# Altium PCB CGRA_Board_3.PcbDoc (part 2 of 7) (continued)
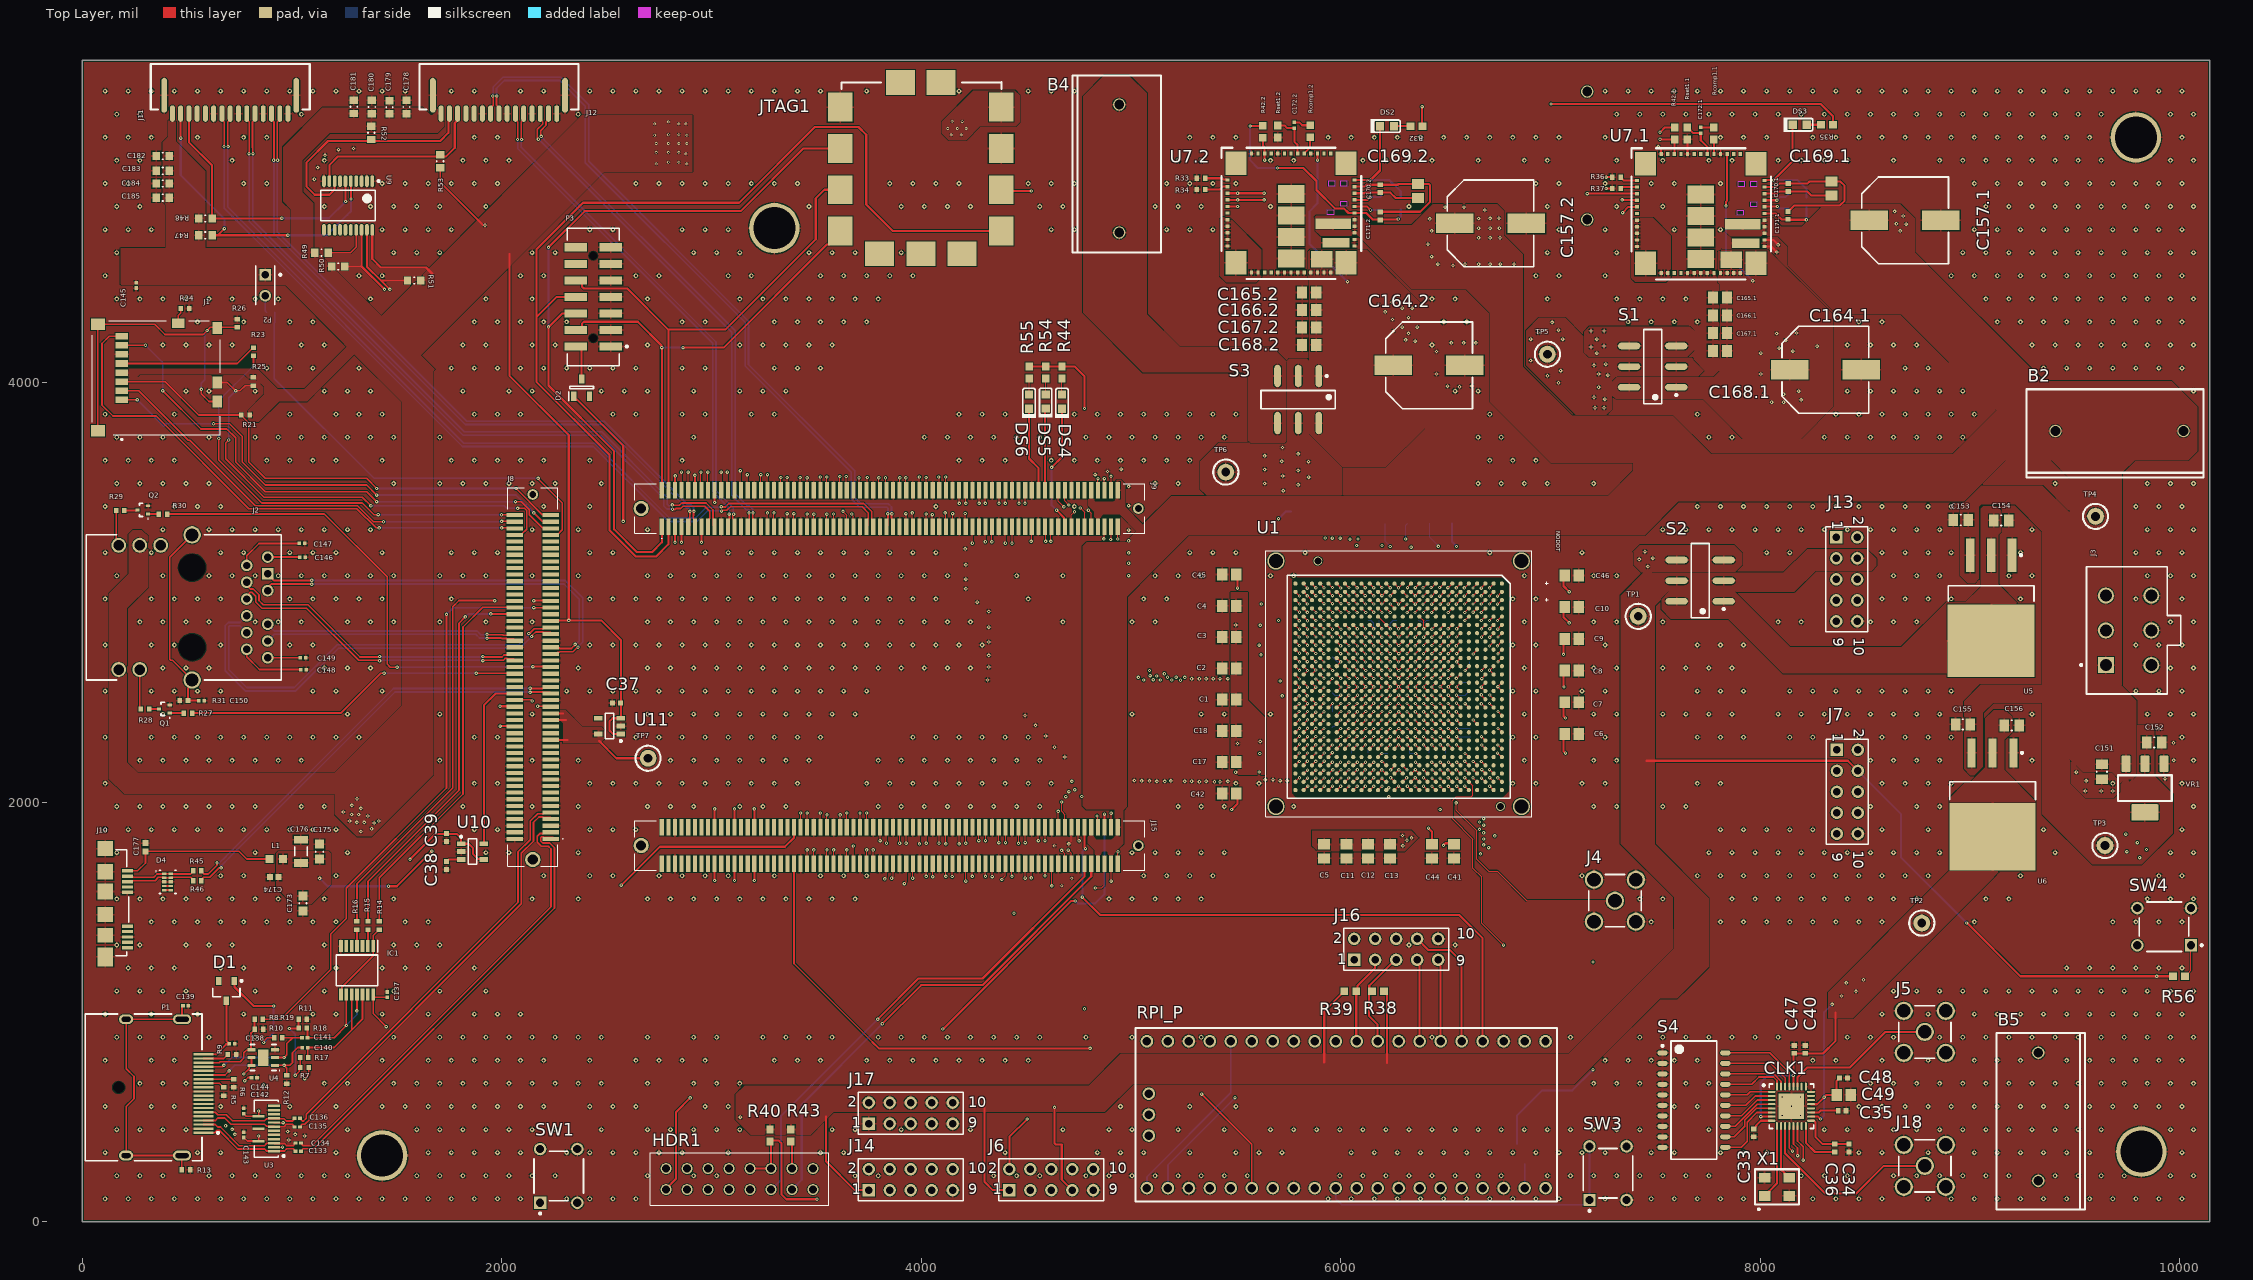
[diagram p0: Top Layer view]
## Part data (continued)
S1 S2 S3: Supplier Part Number 1=401-2002-1-ND, Supplier 1=Digi-Key
S4: Supplier Part Number 1=563-1014-1-ND, Supplier 1=Digi-Key
SW1 SW3 SW4: library part CMP-1684-00021-1, "Tact Switch, SPST-NO, 0.05 A, -35 to 85 degC, 4-Pin THD, RoHS, Bulk", Actuator Color=Black, Contact Rating @ Voltage=0.05A@24VDC, Dielectric Strength=500VAC, Manufacturer="TE Connectivity", Maximum AC Voltage Rating=N/A, Maximum Contact Resistance=100mOhm, Maximum DC Voltage Rating=24V, Minimum Insulation Resistance=100MOhm, Operating Temperature=-35to85C, Package Description="4-Pin Through Hole Device, Body 5.99 x 5.99 mm, Pitch 6.5 mm", Package Reference=THD, Actuator Length=1.4mm, Actuator Material=PolybutyleneTerephthalate, Actuator Style=RoundButton, Base Material=N/A, Body Orientation=Straight, Bushing Type=Unthreaded, Contact Material=CopperAlloy, Contact Plating=Silver, Datasheet URL=http://www.te.com/commerce/DocumentDelivery/DDEController?Action=showdoc&DocId=Customer+Drawing%7F1825910%7FC9%7Fpdf%7FEnglish%7FENG_CD_1825910_C9.pdf%7F1825910-6, Datasheet Version="Rev. C9", Dimension=5.99x5mm, Electrical Life=100000Cycles, Family=1825910, Function=MomentaryContact, Housing Material=N/A, Illumination=N/R, Manufacturer URL=http://www.te.com, Mechanical Life=100000Cycles, Mounting=ThroughHole, Packaging=N/A, Part No=1825910-6, Pole Throw Configuration=SPST, Product Weight=N/A, RoHS=Yes, Seal Description=N/A, Seal Location=N/A, Switch Configuration=OFF(ON), Terminal Type=PCPins, Thread Size=N/R
TP1 TP2 TP3 TP4 TP5 TP6 TP7: "TEST POINT SMALL RED", Manufacturer=Keystone, Mfr Part Description="TEST POINT PC MINI .040\"D RED", Mfr Part Number=5000, Supplier Part Number 1=36-5000-ND, ComponentLink1Description=Datasheets, ComponentLink1URL=http://www.keyelco.com/product-pdf.cfm?p=1309, ComponentLink2Description="Supplier Part Details", ComponentLink2URL=https://www.digikey.com/products/en/test-and-measurement/test-points/616?k=5000K-ND, Created_Date="2014/11/24 21:28:44", Created By=murbach, ID=60203, LifeCycle=New, Part_Type=HOLE, RoHS=Yes, Sub_Type="Test Point", Supplier 1=Digi-Key, Updated_Date="2018/06/14 16:57:12", Updated By=murbach
U3: library part CMP-0326-00039-2, "ESD Solution for HDMI / DisplayPort, 8 Channels, -40 to +85 degC, 15-pin SON (DSM)", Breakdown Voltage(Min)(V)=9, Differential Capacitance(pF)=0.05, IO Capacitance(Typ)(pF)=0.8, IO Leakage Current(nA)=10, Manufacturer="Texas Instruments", ComponentLink1Description="Manufacturer URL", ComponentLink1URL=http://www.ti.com/, ComponentLink2Description=Datasheet, ComponentLink2URL=http://www.ti.com/general/docs/lit/getliterature.tsp?genericPartNumber=TPD8S009&fileType=pdf, ComponentLink3Description="URL Link1", ComponentLink3URL=SamplesURL:http://www.ti.com/product/tpd8s009#samples, DatasheetVersion=SLVS816, Eco-Plan=TBD, IEC 61000-4-2 Air-Gap(+/- kV)=9, IEC 61000-4-2 Contact(+/- kV)=8, Mounting Technology="Surface Mount", PackageDescription="15-Pin Plastic Small Outline Flat No-Lead, 2.5 x 6.5 x 0.8 mm Body, 0.5/1.5 mm Pitch", PackageReference=DSM0015A, PackageVersion="revA, Aug-2007", PartNumber=TPD8S009DSMR, SubFamily="ESD Solution"
U4: library part CMP-0326-00041-3, "Low-Capacitance + / - 15-kV ESD Protection Array for High-Speed Data Interfaces, 4 Channels, -40 to +85 degC, 6-pin SON (DRS), Green (RoHS & no Sb/Br)", Breakdown Voltage(Min)(V)=11, IO Capacitance(Typ)(pF)=1.5, Manufacturer="Texas Instruments", 1394 / Firewire=TRUE, ComponentLink1Description="Manufacturer URL", ComponentLink1URL=http://www.ti.com/, ComponentLink2Description=Datasheet, ComponentLink2URL=http://www.ti.com/general/docs/lit/getliterature.tsp?genericPartNumber=TPD4E001&fileType=pdf, ComponentLink3Description="URL Link1", ComponentLink3URL=SamplesURL:http://www.ti.com/product/tpd4e001#samples, DatasheetVersion=SLLS682G, Eco-Plan="Green (RoHS & no Sb/Br)", IEC 61000-4-2 Air-Gap(+/- kV)=15, IEC 61000-4-2 Contact(+/- kV)=8, IO Leakage Current(nA)=1.5, Mounting Technology="Surface Mount", PackageDescription="6-Pin Plastic Small Outline No-Lead, 3 x 3 x 0.8 mm Body, 0.95 mm Pitch", PackageReference=DRS0006A, PackageVersion="revF, Jul-2011", PartNumber=TPD4E001DRSR, Serial ATA / eSATA=TRUE, SubFamily="ESD Solution", USB High Speed=TRUE
U5: library part CMP-0244-00504-1, "3A, Low Drop Positive Voltage Regulator, 1.8V, 4-Pin D2PAK/A", ComponentLink1Description="Manufacturer URL", ComponentLink1URL=http://www.st.com, ComponentLink2Description=Datasheet, ComponentLink2URL=http://www.st.com/internet/com/TECHNICAL_RESOURCES/TECHNICAL_LITERATURE/DATASHEET/CD00001883.pdf, DatasheetVersion=28/07/2009, PackageDescription="4-Pin Transistor Outline Package 2.54 mm Pitch, 15.4 mm Lead Span", PackageReference=D2PAK_A, PackageVersion=2011
U6: library part CMP-0244-00506-1, "3A, Low Drop Positive Voltage Regulator, 3.3V, 4-Pin D2PAK/A", ComponentLink1Description="Manufacturer URL", ComponentLink1URL=http://www.st.com, ComponentLink2Description=Datasheet, ComponentLink2URL=http://www.st.com/internet/com/TECHNICAL_RESOURCES/TECHNICAL_LITERATURE/DATASHEET/CD00001883.pdf, DatasheetVersion=28/07/2009, PackageDescription="4-Pin Transistor Outline Package 2.54 mm Pitch, 15.4 mm Lead Span", PackageReference=D2PAK_A, PackageVersion=2011
U7.1 U7.2: "Non-Isolated PoL Module DC DC Converter 1 Output 0.35 ~ 2V 35A 4.5V - 15V Input", Manufacturer="Texas Instruments", Manufacturer Part Number=TPSM846C23MOLR, Max Operating Temperature=105°C, Min Operating Temperature=-40°C, Supplier Part Number 1=296-48350-1-ND, Pricing 1="1=24.49, 10=22.587, 100=19.2882 (USD)", Stock 1=323, Supplier 1=Digi-Key
U9: "Low Voltage 4-Channel I / 2C and SMBus Multiplexer With Interrupt Logic"
U10: "1.5V regulator", Supplier Part Number 1=497-7805-2-ND, ComponentLink1Description=TCR2LF085, ComponentLink1URL=https://www.digikey.com/en/products/detail/toshiba-semiconductor-and-storage/TCR2LF085-LM-CT/10379974, Supplier 1=Digi-Key
U11: "0.85V regulator", ComponentLink1Description=TCR2LF085, ComponentLink1URL=https://www.digikey.com/en/products/detail/toshiba-semiconductor-and-storage/TCR2LF085-LM-CT/10379974
VR1: "IC REG LDO 1A SOT223-3", Current_Rating=1A, Manufacturer=Diodes, Mfr Part Description="IC REG LDO 5V 1A SOT223-3", Mfr Part Number=ZLDO1117G50TA, Package_Case="TO-261-4, TO-261AA", Supplier Part Number 1=ZLDO1117G50DICT-ND, Temperature Range="-40C to +125C", Voltage_Rating=5V, ComponentLink1Description=Datasheets, ComponentLink1URL=http://www.diodes.com/datasheets/ZLDO1117.pdf, ComponentLink2Description="Supplier Part Details", ComponentLink2URL=http://www.digikey.com/product-detail/en/ZLDO1117G50TA/ZLDO1117G50DICT-ND, Created_Date="2014/11/24 21:28:44", Created By=murbach, ID=60187, LifeCycle=New, Part_Type=IC, RoHS=Yes, Sub_Type=Vreg, Supplier 1=Digi-Key, Updated_Date="2016/06/22 20:05:00", Updated By="User 3"
X1: "Crystal", Case/Package=SMD/SMT, ESR (Equivalent Series Resistance)=55kR, Frequency=32.768kHz, Frequency Tolerance=20ppm, Load Capacitance=6pF, Manufacturer=Abracon, Manufacturer Part Number=ABS07-120-32.768KHZ-T, Max Operating Temperature=85°C, Min Operating Temperature=-40°C, Package Quantity=3000, Series Resistance=60kR, Supplier Part Number 1=887-1133-1-ND, ComponentLink1Description=https://www.verical.com/server-webapp/html/getDatasheet?partID=722402, ComponentLink1URL=https://www.verical.com/server-webapp/html/getDatasheet?partID=722402, ComponentLink2Description=https://abracon.com/Support/PackageDrawing/Resonators/ABS07-120.PDF, ComponentLink2URL=https://abracon.com/Support/PackageDrawing/Resonators/ABS07-120.PDF, ComponentLink3Description=http://www.mouser.com/ds/2/3/ABS07-120-32.768kHz-T-218607.pdf, ComponentLink3URL=http://www.mouser.com/ds/2/3/ABS07-120-32.768kHz-T-218607.pdf, Depth=1.5mm, Height=0.035inch, Lead Free="Lead Free", Length=3.2mm, Mount="Surface Mount", Number of Pins=2, Packaging="Tape and Reel", Pricing 1="1=0.57, 10=0.473, 50=0.4258, 100=0.3784, 500=0.35948, 1000=0.30272 (USD)", Radiation Hardening=No, REACH SVHC="No SVHC", Stock 1=222072, Supplier 1=Digi-Key, Supplier 2=Digi-Key, Supplier Part Number 2=887-1113-1-ND, Termination=SMD/SMT, Tolerance=20ppm, Width=0.061inch

## Free pads (board coordinates)
  round 240 hole 200: 2(9816,335) 3(9790,5170) 4(3300,4736.91) 5(1430,316.2)

## Via types
v1: diameter 22, hole 10, Top Layer to Bottom Layer, 1756 vias
v2: diameter 15.98, hole 4, Top Layer to Bottom Layer, 537 vias
v3: diameter 15.98, hole 4, Top Layer to Bottom Layer, tented both sides, 515 vias
v4: diameter 16, hole 4, Top Layer to Bottom Layer, 47 vias
v5: diameter 12, hole 6, Top Layer to Bottom Layer, 30 vias
v6: diameter 16, hole 8, Top Layer to Bottom Layer, 15 vias

## Nets (pads, with @x,y where several pads share a name; then routed paths per layer and width w, separated by ;. In a path a pad name is that pad's centre, name@x,y a point inside that pad or via, vN(x,y) a via of type N, cw(c..) or ccw(c..) an arc to the next point about the centre after c; other vN are vias at no path point)
0V8_EXT: B4.1 B4.2 S3.3 S3.6
0V8_INT: C163.2.1 C164.2.1 C165.2.1 C166.2.1 C167.2.1 C168.2.1 S3.1 S3.4 U7.2.4 U7.2.37 U7.2.38 U7.2.39 U7.2.40 U7.2.41 U7.2.55 | length 702
  Top Layer w10: v2(5888.98,5061) U7.2.4@5888.98,5092.46
  Bottom Layer w10: v2(5888.98,5061) 5888.98,4854.98 5850,4816 5850,4664 v2(6032,4482)
  other v2: 6354.51,4198.11 6308.94,4204.29 6322.68,4235.36 6251.61,4247 6293,4265 6364.68,4265 6246.72,4301.54 6322.68,4310.57 6212,4338 6293,4355.68 6340.07,4355.68 6180,4373 6243.87,4384.16
0V8_OUT: C1.1 C2.1 C3.1 C4.1 C5.1 C6.1 C7.1 C8.1 C9.1 C10.1 C11.1 C12.1 C13.1 C14.1 C15.1 C16.1 C17.1 C18.1 C19.1 C20.1 C21.1 C22.1 C23.1 C24.1 C25.1 C26.1 C27.1 C28.1 C29.1 C30.1 C31.1 C32.1 C96.1 C97.1 C98.1 C99.1 C100.1 C101.1 S3.2 S3.5 TP6.1 U1.A2 U1.A8 U1.A19 U1.A25 U1.AA3 U1.AA6 U1.AA7 U1.AA8 U1.AA9 U1.AA10 U1.AA11 U1.AA12 U1.AA13 U1.AA14 U1.AA15 U1.AA16 U1.AA17 U1.AA18 U1.AA19 U1.AA20 U1.AA21 U1.AA24 U1.AB11 U1.AB16 U1.AD6 U1.AD13 U1.AD14 U1.AD21 U1.AE1 U1.AE26 U1.AF2 U1.AF8 U1.AF19 U1.AF25 U1.B1 U1.B26 U1.C6 U1.C13 U1.C14 U1.C21 U1.E11 U1.E16 U1.F3 U1.F6 U1.F7 U1.F8 U1.F9 U1.F10 U1.F11 U1.F12 U1.F13 U1.F14 U1.F15 U1.F16 U1.F17 U1.F18 U1.F19 U1.F20 U1.F21 U1.F24 U1.H1 U1.H6 U1.H7 U1.H8 U1.H9 U1.H10 U1.H11 U1.H12 U1.H13 U1.H14 U1.H15 U1.H16 U1.H17 U1.H18 U1.H19 U1.H20 U1.H21 U1.H26 U1.K6 U1.K7 U1.K8 U1.K9 U1.K10 U1.K11 U1.K12 U1.K13 U1.K14 U1.K15 U1.K16 U1.K17 U1.K18 U1.K19 U1.K20 U1.K21 U1.L5 U1.L22 U1.M6 U1.M7 U1.M8 U1.M9 U1.M10 U1.M11 U1.M12 U1.M13 U1.M14 U1.M15 U1.M16 U1.M17 U1.M18 U1.M19 U1.M20 U1.M21 U1.N3 U1.N24 U1.P3 U1.P24 U1.R6 U1.R7 U1.R8 U1.R9 U1.R10 U1.R11 U1.R12 U1.R13 U1.R14 U1.R15 U1.R16 U1.R17 U1.R18 U1.R19 U1.R20 U1.R21 U1.T5 U1.T22 U1.U6 U1.U7 U1.U8 U1.U9 U1.U10 U1.U11 U1.U12 U1.U13 U1.U14 U1.U15 U1.U16 U1.U17 U1.U18 U1.U19 U1.U20 U1.U21 U1.W1 U1.W6 U1.W7 U1.W8 U1.W9 U1.W10 U1.W11 U1.W12 U1.W13 U1.W14 U1.W15 U1.W16 U1.W17 U1.W18 U1.W19 U1.W20 U1.W21 U1.W26 | length 6497.3
  Top Layer w3.5: U1.L5@6374.3,2885.07 6394.94,2864.44 v3(6394.94,2826.93)
  Top Layer w5: U1.AF25@5783.75,2097.67 v3(5803,2117) ; U1.AF19@5783.75,2333.89 5784.07,2333.89 5802.68,2352.5 v3(5803,2352.5) ; U1.AF8@5783.75,2766.96 5783.75,2766.6 5802.48,2747.86 v3(5802.48,2747.5) ; U1.AF2@5783.75,3003.18 5783.75,3002.86 5803,2983.61 v3(5803,2983.29) ; U1.AE26@5823.12,2058.3 5823.71,2058.3 5842.41,2077 v3(5843,2077) ; U1.AE1@5823.12,3042.55 5823.12,3039.69 5841,3021.81 v3(5841,3021) ; U1.AD21@5862.49,2255.15 5862.49,2255.54 5880.67,2273.72 v3(5880.67,2274.1) ; U1.AD14@5862.49,2530.74 5862.49,2530.83 5880.73,2549.07 v3(5880.73,2549.16) ; U1.AD13@5862.49,2570.11 5862.49,2568.55 5880.73,2550.31 5880.73,2549.5 v3(5880.73,2549.16) ; U1.AD6@5862.49,2845.7 5862.49,2845.17 5882,2825.66 v3(5882,2825.5) ; U1.AB16@5941.23,2452 5941.64,2452 5960.42,2470.79 v3(5960.83,2470.79) ; U1.AB11@5941.23,2648.85 5941.23,2648.61 5961,2628.83 v3(5961,2628.59) ; U1.AA24@5980.6,2137.04 5981.84,2137.04 5999.8,2155 v3(6001.04,2155) ; U1.AA21@5980.6,2255.15 5980.7,2255.15 5999.37,2273.82 v3(5999.47,2273.82) ; U1.AA20@5980.6,2294.52 5980.6,2294.69 5999.37,2313.47 v3(5999.37,2313.64) ; U1.AA19@5980.6,2333.89 5980.93,2333.89 5999.04,2352 v3(5999.37,2352) ; U1.AA18@5980.6,2373.26 5980.6,2373.41 5999.04,2391.85 v3(5999.04,2392) ; U1.AA17@5980.6,2412.63 v3(6001,2433) ; U1.AA16@5980.6,2452 5981,2452 5999.79,2470.79 v3(6000.19,2470.79) ; U1.AA15@5980.6,2491.37 5980.6,2491.96 5999.04,2510.41 v3(5999.04,2511) ; U1.AA14@5980.6,2530.74 5981.43,2530.74 6000.19,2549.5 v3(6001,2549.5) 6001,2549.6 5980.6,2570 U1.AA13@5980.6,2570.11 ; U1.AA12@5980.6,2609.48 5980.6,2609.28 5999.04,2590.84 v3(5999.04,2590.64) ; U1.AA10@5980.6,2688.22 5980.6,2688.09 5999.04,2669.65 v3(5999.04,2669.52) 5998.47,2668.95 5998.47,2666.72 U1.AA11@5980.6,2648.85 U1.AA11@5980.69,2648.85 ; U1.AA9@5980.6,2727.59 5980.6,2727.53 v3(5999.29,2708.77) v3(5999.29,2708.77) ; U1.AA8@5980.6,2766.96 5980.6,2765.72 5999.04,2747.27 v3(5999.04,2746.46) ; U1.AA6@5980.6,2845.7 5980.6,2845.55 6001,2825.15 v3(6001,2825) v3@6000.19,2825 ; U1.AA3@5980.6,2963.81 5983.38,2963.81 6000.19,2947 v3(6001,2947) ; U1.AA7@5981.52,2806.33 U1.AA7@5980.6,2806.33 U1.AA7@5980.6,2806.33 5999.47,2787.38 v3(5999.47,2787.31) ; U1.W7@6058.37,2806.33 U1.W7@6059.34,2806.33 6059.34,2806.22 6077.72,2787.83 v3(6077.72,2787.71) ; U1.W26@6059.34,2058.3 6059.6,2058.3 6077.74,2076.45 v3(6078,2076.45) ; U1.W21@6059.34,2255.15 6059.34,2255.29 6077.72,2273.68 v3(6077.72,2273.82) ; U1.W20@6059.34,2294.52 6059.34,2295.43 6077.72,2313.81 v3(6077.72,2314.63) ; U1.W19@6059.34,2333.89 6059.61,2333.89 6077.72,2352 v3(6078,2352) ; U1.W18@6059.34,2373.26 6060.64,2373.26 6079.19,2391.81 v3(6080,2391.81) ; U1.W17@6059.34,2412.63 6059.82,2412.63 6078.71,2431.52 v3(6079.19,2431.52) ; U1.W16@6059.34,2452 6059.34,2452.13 6078,2470.79 v3(6078,2470.91) ; U1.W15@6059.34,2491.37 6060.32,2491.37 6079.19,2510.24 v3(6080,2510.24) ; U1.W14@6059.34,2530.74 6060.43,2530.74 6079.19,2549.5 v3(6080,2549.5) U1.W13@6059.36,2570.11 ; U1.W12@6059.34,2609.48 6059.93,2609.48 6079.41,2590 v3(6080,2590) ; U1.W11@6059.34,2648.85 6059.34,2648.64 6077.72,2630.25 v3(6077.72,2630.04) ; U1.W10@6059.34,2688.22 6059.79,2688.22 6078.96,2669.06 v3(6079.41,2669.06) ; U1.W8@6059.34,2766.96 6059.34,2766.31 6080,2745.65 v3(6080,2745) v3@6079.19,2745 ; U1.W6@6059.34,2845.57 U1.W6@6059.34,2845.7 6059.98,2845.7 6078.55,2827.13 v3(6079.19,2827.13) ; U1.W1@6059.34,3042.55 6059.34,3042.11 6078,3023.44 v3(6078,3023) ; U1.W9@6061.78,2727.59 U1.W9@6059.34,2727.59 6059.34,2727.22 6079.19,2707.37 v3(6079.19,2707) ; U1.U21@6138.08,2255.15 U1.U21@6138.08,2255.15 6156.46,2273.61 v3(6156.46,2273.68) ; U1.U20@6138.08,2294.52 6138.08,2294.89 6156.46,2313.27 v3(6156.46,2313.64) ; U1.U19@6138.08,2333.89 6138.35,2333.89 6156.46,2352 v3(6156.74,2352) ; U1.U18@6138.08,2373.26 6138.17,2373.26 6156.91,2392 v3(6157,2392) ; U1.U17@6138.08,2412.63 6138.08,2413.45 6156.78,2432.15 v3(6156.78,2432.96) ; U1.U16@6138.08,2452 6138.08,2452.65 6156.78,2471.35 v3(6156.78,2472) ; U1.U15@6138.08,2491.37 6138.08,2491.72 6157,2510.65 v3(6157,2511) ; U1.U14@6138.08,2530.74 6138.08,2531.12 v3(6157,2550.04) 6157,2550.81 6138.08,2569.73 U1.U13@6138.08,2570.11 ; U1.U12@6138.08,2609.48 6138.08,2609.2 6157,2590.28 v3(6157,2590) ; U1.U11@6138.08,2648.85 6138.08,2648.01 6157,2629.09 v3(6157,2628.28) ; U1.U10@6138.08,2688.22 6138.08,2688.07 6157,2669.15 v3(6157,2669) ; U1.U9@6138.08,2727.02 U1.U9@6138.08,2727.59 6156.43,2709.24 6156.43,2707.57 v3(6157,2707) ; U1.U8@6138.08,2764.51 U1.U8@6138.08,2766.96 6156.43,2748.61 6156.43,2746.22 v3(6157,2745.65) ; U1.U7@6138.08,2806.33 v3@6156.74,2787.71 ; U1.U6@6138.08,2845.7 6138.08,2845.58 6156.74,2826.93 v3(6156.74,2826.81) ; U1.T22@6177.45,2215.78 6178.02,2215.78 6195.24,2233 v3(6195.81,2233) ; U1.T5@6177.45,2885.07 U1.R6@6216.82,2845.7 6217.17,2845.7 6235.95,2826.93 v3(6236.3,2826.93) ; U1.R21@6216.82,2255.15 6217.46,2255.15 6235.86,2273.56 v3(6236.5,2273.56) ; U1.R20@6216.82,2294.52 6217.38,2294.52 6235.94,2313.07 v3(6236.5,2313.07) ; U1.R19@6216.82,2333.89 6217.61,2333.89 6235.72,2352 v3(6236.5,2352) ; U1.R18@6216.82,2373.26 6216.97,2373.26 6235.52,2391.81 v3(6235.67,2391.81) ; U1.R17@6216.82,2412.63 6216.82,2412.88 6235.85,2431.9 v3(6235.85,2432.15) ; U1.R16@6216.82,2452 6217.19,2452 6236.14,2470.95 v3(6236.5,2470.95) ; U1.R15@6216.82,2491.37 6217.02,2491.37 6236.3,2510.65 v3(6236.5,2510.65) ; U1.R14@6216.82,2530.74 v3(6236.5,2550.43) U1.R13@6216.82,2570.11 ; U1.R12@6216.82,2609.48 6216.97,2609.48 6235.85,2590.6 v3(6236,2590.6) ; U1.R11@6216.82,2648.85 U1.R11@6216.82,2648.85 6235.67,2629.89 v3(6235.67,2629.79) ; U1.R10@6216.82,2688.22 6216.96,2688.22 6235.67,2669.51 v3(6235.82,2669.51) ; U1.R9@6216.82,2727.59 6217,2727.59 6235.82,2708.77 v3(6236,2708.77) ; U1.R8@6216.82,2766.96 6216.82,2766 6236,2746.82 v3(6236,2746.01) ; U1.R7@6216.86,2806.33 v3(6235.52,2787.71) ; U1.P24@6256.19,2137.04 6257.96,2137.04 6275.92,2155 v3(6276.73,2155) 6277.16,2155 6295.12,2137.04 U1.N24@6295.56,2137.04 ; U1.P3@6256.19,2963.81 v3(6275.47,2944.56) 6275.91,2944.56 6295.16,2963.81 U1.N3@6295.56,2963.81 ; v3(6315.78,2352) 6316.3,2352 6334.41,2333.89 U1.M19@6334.93,2333.89 ; v3(6315.78,2431.68) v3(6315.78,2431.68) U1.M17@6334.93,2412.63 U1.M17@6334.93,2412.63 ; v3(6315.78,2470.93) 6315.88,2470.93 6334.82,2452 U1.M16@6334.93,2452 ; v3(6315.78,2787.71) 6316.04,2787.71 6334.66,2806.33 U1.M7@6334.93,2806.33 ; v3(6315.78,2826.58) U1.M6@6334.93,2845.7 ; v3(6315.88,2708.77) 6316,2708.77 6334.81,2727.59 U1.M9@6334.93,2727.59 ; v3(6316.11,2391.81) 6316.25,2391.81 6334.8,2373.26 U1.M18@6334.93,2373.26 ; v3(6316.25,2510.47) 6316.25,2510.26 6334.93,2491.58 U1.M15@6334.93,2491.37 ; v3(6316.25,2590) 6316.25,2590.4 6334.93,2609.08 U1.M12@6334.93,2609.48 ; v3(6316.25,2629.91) 6316.25,2630.04 6334.93,2648.72 U1.M11@6334.93,2648.85 ; v3(6316.25,2669.51) U1.M10@6334.93,2688.22 ; v3(6316.25,2746.01) 6316.25,2746.82 6334.93,2765.5 U1.M8@6334.93,2766.96 ; v3(6316.34,2273.56) 6316.43,2273.56 6334.84,2255.15 U1.M21@6334.93,2255.15 ; v3(6316.3,2313.07) U1.M20@6334.93,2294.52 ; U1.M14@6334.93,2530.74 6334.93,2530.81 6316.25,2549.5 v3(6316.25,2549.57) 6316.25,2550.38 6334.93,2569.06 U1.M13@6334.93,2570.11 ; v3(6357,2233) U1.L22@6374.3,2215.78 ; v3(6394,2273.56) 6394.63,2273.56 6413.04,2255.15 U1.K21@6413.67,2255.15 ; v3(6394,2313.07) 6394.56,2313.07 6413.11,2294.52 U1.K20@6413.67,2294.52 ; v3(6394,2352) 6394.78,2352 6412.89,2333.89 U1.K19@6413.67,2333.89 ; v3(6394,2628) 6394,2628.59 6413.67,2648.26 U1.K11@6413.67,2648.85 ; v3(6394.24,2590) U1.K12@6413.67,2609.48 ; v3(6394.24,2708.77) 6394.55,2708.77 6413.36,2727.59 U1.K9@6413.67,2727.59 ; v3(6394.55,2669.51) 6394.75,2669.51 6413.46,2688.22 U1.K10@6413.67,2688.22 ; v3(6394.55,2747.31) 6394.55,2747.57 6413.67,2766.7 U1.K8@6413.67,2766.96 ; v3(6394.75,2391.81) 6394.94,2391.81 6413.48,2373.26 U1.K18@6413.67,2373.26 ; v3(6394.75,2431.82) 6394.75,2431.68 6413.67,2412.76 U1.K17@6413.67,2412.63 ; v3@6394.75,2470.93 U1.K16@6413.67,2452 ; v3(6394.75,2510.65) 6394.75,2510.47 6413.67,2491.55 U1.K15@6413.67,2491.37 ; v3(6394.75,2786.65) 6394.75,2787.03 6413.67,2805.95 U1.K7@6413.67,2806.33 ; v3(6394.94,2826.93) U1.K6@6413.67,2845.7 ; U1.K14@6413.67,2530.74 6413.25,2530.74 6394.42,2549.57 v3(6394,2549.57) 6394,2550.01 6413.67,2569.67 U1.K13@6413.67,2570.11 ; v3(6471.5,3023.85) 6472.6,3023.85 6491.31,3042.55 U1.H1@6492.41,3042.55 ; v3(6473,2076) 6473.35,2076 6473.69,2076.34 6491.72,2058.3 U1.H26@6492.41,2058.3 ; v3(6473,2746.82) 6473,2747.19 6492.41,2766.6 U1.H8@6492.41,2766.96 ; v3(6473,2471.35) U1.H16@6492.41,2452 ; v3(6473.37,2708.77) 6473.48,2708.77 6492.3,2727.59 U1.H9@6492.41,2727.59 ; v3(6473.36,2787.31) U1.H7@6492.41,2806.33 ; v3(6473.36,2825.77) 6473.36,2826.21 6492.41,2845.26 U1.H6@6492.41,2845.7 ; v3(6473.48,2669.52) 6473.6,2669.52 6492.29,2688.22 U1.H10@6492.41,2688.22 ; v3(6473.6,2391.81) 6473.73,2391.81 6492.28,2373.26 U1.H18@6492.41,2373.26 ; v3(6473.6,2431.68) 6473.6,2431.56 6492.41,2412.75 U1.H17@6492.41,2412.63 ; v3(6473.6,2510.58) 6473.6,2510.38 6492.41,2491.57 U1.H15@6492.41,2491.37 ; v3(6473.6,2590.6) U1.H12@6492.41,2609.45 ; v3(6473.6,2630.04) U1.H11@6492.41,2648.85 ; v3(6473.73,2352) 6474.01,2352 6492.12,2333.89 U1.H19@6492.41,2333.89 ; v3(6474.01,2274.1) 6474.01,2273.82 6492.41,2255.43 U1.H21@6492.41,2255.15 ; v3(6474.01,2313.04) v3(6474.01,2313.04) 6492.41,2294.58 U1.H20@6492.41,2294.52 ; U1.H14@6492.41,2530.74 6492.41,2531.17 6473,2550.57 v3(6473,2551) 6473.15,2551 6492.26,2570.11 U1.H13@6492.41,2570.11 ; v3(6551,2154.76) 6551.81,2154.76 6569.53,2137.04 U1.F24@6571.15,2137.04 ; v3(6551,2431.52) 6551.63,2431.52 6570.52,2412.63 U1.F17@6571.15,2412.63 ; v3(6551,2590.64) 6551.65,2590.64 6570.5,2609.48 U1.F12@6571.15,2609.48 ; v3(6551,2746.46) 6551,2746.64 6571.15,2766.79 U1.F8@6571.15,2766.96 ; v3(6551,2944.56) 6551.45,2944.56 6570.7,2963.81 U1.F3@6571.15,2963.81 ; v3(6551.52,2787.71) 6552.03,2787.71 6570.64,2806.33 U1.F7@6571.15,2806.33 ; v3(6551.65,2274.1) 6551.92,2274.1 6570.88,2255.15 U1.F21@6571.15,2255.15 ; v3(6551.63,2352) 6552.33,2352 6570.44,2333.89 U1.F19@6571.15,2333.89 ; v3(6551.65,2472) 6551.65,2471.75 6571.15,2452.25 U1.F16@6571.15,2452 ; v3(6551.65,2510.26) 6551.96,2510.26 6570.85,2491.37 U1.F15@6571.15,2491.37 ; v3(6552.3,2708.77) U1.F9@6571.13,2727.59 ; v3(6552.32,2827.13) 6552.45,2827.13 6571.02,2845.7 U1.F6@6571.15,2845.7 ; v3(6552.45,2391.81) 6552.53,2391.81 6571.07,2373.26 U1.F18@6571.15,2373.26 ; v3(6552.53,2312.98) 6552.61,2312.98 6571.07,2294.52 U1.F20@6571.15,2294.52 ; U1.F14@6571.15,2530.74 6570.71,2530.74 6551.96,2549.5 v3(6551.52,2549.5) 6551.52,2549.99 6571.15,2569.62 U1.F13@6571.15,2570.11 ; U1.F11@6571.15,2648.85 6570.96,2648.85 6552.72,2667.09 6552.72,2668.95 v3(6552.15,2669.52) 6552.3,2669.52 6571,2688.22 U1.F10@6571.15,2688.22 ; v3(6592.82,2470.28) 6592.82,2469.99 6610.52,2452.29 U1.E16@6610.52,2452 ; v3(6592.82,2627.97) 6592.82,2628.79 6610.52,2646.48 U1.E11@6610.52,2648.85 ; v3(6670.59,2826.58) 6670.59,2826.81 6689.26,2845.47 U1.C6@6689.26,2845.7 ; v3(6671.91,2273.42) 6671.91,2272.96 6689.26,2255.61 U1.C21@6689.26,2255.15 ; U1.C14@6689.26,2530.74 6688.99,2530.74 6670.49,2549.24 v3(6670.22,2549.24) 6670.22,2550.05 6689.26,2569.09 U1.C13@6689.26,2570.11 ; v3(6709,3022) 6709,3022.46 6728.63,3042.09 U1.B1@6728.63,3042.55 ; v3(6709.85,2076.34) 6710.22,2076.34 6728.26,2058.3 U1.B26@6728.63,2058.3 ; v3(6747,2983) 6747.41,2983 6767.59,3003.18 U1.A2@6768,3003.18 ; v3(6747.41,2745.65) 6747.41,2746.01 6768,2766.6 U1.A8@6768,2766.96 ; v3(6748.19,2116.57) 6748.64,2116.57 6767.54,2097.67 U1.A25@6768,2097.67 ; v3(6749.18,2352) 6749.54,2352 6767.65,2333.89 U1.A19@6768,2333.89
  Top Layer w10: C6.1@7061.63,2326 7061.63,2243.97 v2(7071,2234.6) ; C7.1@7061.63,2477 7061.63,2411.37 v2(7071,2402) ; C8.1@7061.63,2628 7061.63,2552.36 v2(7064,2549.99) ; v2(7061.63,2704.95) C9.1@7061.63,2779 ; C10.1@7061.63,2930 7061.63,2882.89 v2(7089,2855.52)
  Bottom Layer w3.5: C101.1@5958.82,2431 5960.83,2433.01 v3(5960.83,2470.79) ; C22.1@5958.82,2694.01 C22.1@5958.82,2693.22 5965.34,2686.7 5966.13,2686.7 5983.31,2669.52 v3(5999.04,2669.52) ; C31.1@5959.63,2522.01 C31.1@5959.63,2521.22 5966.15,2514.7 5966.94,2514.7 5970.64,2511 v3(5999.04,2511) ; C25.1@6131.62,2867 6131.76,2866.86 6143.88,2866.86 6156.74,2854 v3(6156.74,2826.81) 6182.25,2852.32 C20.1@6182.25,2867 ; C14.1@6211,3328.63 6211,3244.17 v2(6235.67,3219.5) ; v3(6236.3,2826.93) 6236.5,2827.13 6236.5,2854 6249.5,2867 C27.1@6266.02,2867 ; v2(6308.94,3255) 6308.94,3319.56 C15.1@6319,3329.63 ; C97.1@6369.99,2867 6371.24,2865.75 6382.25,2865.75 6394.94,2853.06 ; v3(6394.94,2826.93) 6394.94,2853.06 ; C24.1@6421.17,2867 6408.87,2867 6394.94,2853.06 ; C16.1@6425,3330.63 6425,3263.1 6465,3223.11 v2(6465,3220) ; v3(6551.52,2549.5) 6574.03,2572 C32.1@6615.01,2572 ; v3(6551.63,2352) 6614.64,2352 C23.1@6618.63,2355.99 ; v3(6551.65,2510.26) 6594.27,2510.26 6607.7,2523.69 6607.7,2524.48 C29.1@6614.22,2531 C29.1@6615.01,2531 ; v3(6552.53,2312.98) 6552.68,2312.82 C28.1@6618.63,2312.82 ; v3(6592.82,2627.97) 6615.01,2650.16 C30.1@6615.01,2669
  Bottom Layer w5: C26.1@5958.82,2355.99 C26.1@5958.82,2356.78 5964.59,2362.55 5969.59,2362.55 v3(5999.04,2392) ; C21.1@6052.69,2233 6052.69,2248.79 v3(6077.72,2273.82) ; C19.1@6131.62,2233 6131.62,2248.84 v3(6156.46,2273.68) ; v3(6195.81,2233) C100.1@6223.51,2233 ; v3(6316.34,2273.56) 6328.99,2260.9 6328.99,2233 v3(6357,2233) ; v3(6394,2273.56) 6421.72,2245.84 6421.72,2233.22 C99.1@6421.94,2233 ; v3(6474.01,2274.1) 6500.3,2247.81 C96.1@6500.3,2233
  other v2: 6296,1792.92 6315.33,1819 6337.25,1830.5 6294.03,1842 5725.84,3485 5797,3513.76 5637.02,3519.68 5846.5,3550.06 5722.56,3555.41 5797,3582 5637.02,3586.76 5846.11,3623.76 5718.63,3626 5637.02,3651.19 5796.5,3661.08 5722.3,3691.5
  other v3: 5498.85,2143.45 5507.37,2280.11 5616,2290 6394.75,2470.95 6156.78,2787.71 5498.85,2844.98
1V5_VBATT: J8.46 U10.5 | length 829.3
  Top Layer w10: U10.5@1915.13,1802.4 1915.13,2462 1971.51,2518.37 J8.46@2061.5,2518.37
1V8_EXT: B1.1 B1.2 S1.3 S1.6 S2.3 S2.6
  other v2: 7463.96,3124.16 7423,3158 7487.96,3164.16 7449.96,3195.16 7221,4141 7193,4170.42 7254.55,4175.09 7221,4208 7193,4247 7255,4247
1V8_LDO_INT: C154.2 S2.1 S2.4 U5.2 U5.4
1V8_OUT: D2.1 J6.1 J7.4 J13.4 J14.1 J17.2 J17.4 J17.6 J17.8 J17.10 JTAG1.9 R38.1 R39.1 R40.1 R43.1 R56.1 S2.2 S2.5 TP1.1 | length 11719.5
  Top Layer w10: D2.1@2343.2,3935.66 2343.2,3926.8 2351,3919.01 2359.86,3919.01 2579.8,3699.07 v2(2579.8,3339) ; 3547,501.64 3547,288 3684,151 J14.1@3750,151 ; 4301.65,568 4301.65,190.98 4341.63,151 J6.1@4420,151 ; JTAG1.9@4382,4920 4388,4914 v4(4525,4914) ; 5919.87,760.87 5921,762 5921,1003.54 6002.76,1085.3 6002.76,1086.28 6015.47,1099 R39.1@6016.46,1099 ; R38.1@6206.24,1099.4 6207.23,1099.4 6219.95,1086.69 6219.95,1085.7 6220,1085.65 6220,758.33 ; 7457.89,2198.21 8416.79,2198.21 J7.4@8465,2150 ; v4(8983.3,1424.41) 8986.47,1424.41 9239.87,1171 v4(9889.7,1171) R56.1@9967.46,1171
  Int4 (Sign) w10: v2(3138,499) 2889,499 2822,566 2822,1449 2579.8,1691.2 v2(2579.8,3339) 2579.8,3598.8 2807,3826 3675,3826 4525,4676 v4(4525,4914)
  Bottom Layer w10: J7.4@8465,2150 8671.39,1943.61 8671.39,1736.32 v4(8983.3,1424.41)
1V8_PM: C41.1 C42.1 C43.1 C44.1 C45.1 C46.1 C106.1 C107.1 C108.1 C109.1 C110.1 C111.1 C112.1 C113.1 C114.1 C115.1 C116.1 C117.1 C118.1 C119.1 C120.1 C121.1 J8.36 J8.42 J9.5 J9.6 J9.7 J9.12 J9.13 J9.18 J15.17 J15.18 J15.23 J15.24 J15.29 J15.30 R44.1 R54.1 R55.1 S1.2 S1.5 TP5.1 U1.A6 U1.A21 U1.AA1 U1.AA26 U1.AD3 U1.AD11 U1.AD12 U1.AD15 U1.AD16 U1.AD24 U1.AE2 U1.AE25 U1.AF6 U1.AF21 U1.B2 U1.B25 U1.C3 U1.C11 U1.C12 U1.C15 U1.C16 U1.C24 U1.F1 U1.F26 U1.L3 U1.L24 U1.M3 U1.M24 U1.R3 U1.R24 U1.T3 U1.T24 | length 2951.5
  Top Layer w4: v3(6670.04,2512.68) 6670.81,2511.91 6670.81,2509.82 U1.C15@6689.26,2491.37 ; v3(6670.22,2469.99) 6671.27,2469.99 U1.C16@6689.26,2452
  Top Layer w5: U1.AF21@5783.75,2255.15 5784.24,2255.15 5802.51,2273.42 5803,2273.91 v3(5803,2277.27) ; U1.AF6@5783.75,2845.7 5783.75,2844.98 5803,2825.72 v3(5803,2825.5) ; U1.AE25@5823.12,2097.67 5823.43,2097.67 5841.07,2115.31 v3(5841.39,2115.31) ; U1.AE2@5823.12,3003.18 5823.12,3002.6 5841,2984.71 v3(5841,2984.13) 5841.58,2984.13 5861.9,2963.81 U1.AD3@5862.49,2963.81 ; U1.AD24@5862.49,2137.04 5863.69,2137.04 5880.13,2153.48 v3(5881.32,2153.48) ; U1.AD16@5862.49,2452 v3(5880.94,2470.5) ; U1.AD15@5862.49,2491.37 5862.49,2490.91 5880.94,2472.46 v3@5880.94,2471.23 ; U1.AD12@5862.49,2609.48 5862.49,2611.42 5880.73,2629.67 v3(5880.73,2630.48) v3(5880.73,2630.48) U1.AD11@5862.49,2648.85 U1.AD11@5862.49,2648.85 ; U1.AA26@5980.6,2058.3 5980.75,2058.3 5998.89,2076.45 v3(5999.04,2076.45) ; U1.AA1@5980.6,3042.55 5980.6,3041.63 5999.5,3022.73 v3(5999.5,3021.81) ; U1.T3@6177.45,2963.81 6177.45,2963.58 6195.81,2945.23 v3(6195.81,2945) 6196.62,2945 6215.43,2963.81 U1.R3@6216.82,2963.81 ; U1.T24@6177.48,2137.04 v3(6195.24,2154.76) ; v3(6195.24,2154.76) 6196.05,2154.76 6213.77,2137.04 U1.R24@6216.82,2137.04 ; U1.M24@6334.93,2137.04 6336.46,2137.04 6354.99,2155.57 v3(6355.8,2155.57) U1.L24@6374.3,2137.05 ; U1.M3@6334.93,2963.81 6335.59,2963.81 6354.84,2944.56 v3(6355.5,2944.56) ; v3@6354.94,2944.56 6374.19,2963.81 U1.L3@6374.3,2963.81 ; v3(6551,3022) 6551,3022.2 6571.15,3042.35 U1.F1@6571.15,3042.55 ; v3(6552.97,2076.34) v3(6552.97,2076.34) 6571.08,2058.3 U1.F26@6571.15,2058.3 ; v3(6670,2945) 6670.22,2945 6689.04,2963.81 U1.C3@6689.26,2963.81 ; v3(6671.02,2627.97) 6671.02,2628.79 6689.26,2647.03 U1.C11@6689.26,2648.85 ; v3(6671.91,2155.55) 6671.91,2154.97 6689.26,2137.62 U1.C24@6689.26,2137.04 ; v3(6671.91,2589.32) 6671.91,2590.13 6689.26,2607.48 U1.C12@6689.26,2609.48 ; v3(6709,2983.42) 6709,2983.49 6728.63,3003.12 U1.B2@6728.63,3003.18 ; v3(6710.22,2117) 6710.22,2116.54 6728.63,2098.13 U1.B25@6728.63,2097.67 ; v3(6748.19,2825.77) v3(6748.19,2825.77) 6768,2845.64 U1.A6@6768,2845.7 ; v3(6748.64,2273.42) 6749.18,2273.42 6767.46,2255.15 U1.A21@6768,2255.15
  Top Layer w10: v2(1991.89,2457.88) J8.42@2064.5,2457.88 ; v2(1992.94,2363.39) J8.36@2064.5,2363.39 ; v2(2826.38,3239.39) J9.5@2826.38,3314 ; J9.6@2826.38,3487.23 2826.38,3554.3 v2(2828,3555.93) ; v2(2857,3239.39) 2857.87,3240.26 J9.7@2857.87,3314 ; J9.12@2920.87,3487.23 v2(2920.87,3558.65) ; J9.13@2952.36,3314 2952.36,3239.95 v2(2952.93,3239.39) ; v2(3015.35,1627.35) J15.17@3015.35,1707 ; J15.18@3015.35,1880.23 v2(3015.35,1968.79) ; v2(3015.35,3429.08) J9.18@3015.35,3487.23 ; v2(3109.84,1627.35) J15.23@3109.84,1707 ; J15.24@3109.84,1880.23 v2(3109.84,1968.79) ; v2(3204.33,1627.35) J15.29@3204.33,1707 ; J15.30@3204.33,1880.23 v2(3204.33,1968.79) ; R55.1@4514,4077.54 R54.1@4593.18,4077.54 R44.1@4671,4077.54 4731.46,4077.54 4778.5,4030.5 v4(4778.5,3877.53) ; v2(5479.69,1966) 5507.37,1993.68 C42.1@5507.37,2042 ; v2(5507.37,3021) C45.1@5507.37,3086 ; v2(6418,1877) 6433.9,1861.1 C44.1@6433.9,1805.37 ; v2(6489.56,1795) 6499.35,1804.79 6538.42,1804.79 C41.1@6539,1805.37 ; C46.1@7061.63,3081 7061.63,3031.07 v2(7089,3003.7)
  Bottom Layer w10: v2(5703.46,3352.5) 5736.98,3386.02 C121.1@5762.58,3386.02 ; C43.1@6531,3329.63 6531,3241.02 6551.5,3220.53 v2(6551.5,3219.5)
  other v2: 7212,3881 7255,3881 7259,3922 7207,3930.84 7228.93,3978.57 7038,4000 6985.17,4033.57 7273.05,4036.5 7228.93,4041.5 7047.89,4057.57 7207,4083 7262.93,4089 6905,4105.82 6905,4208 7057.78,4208 6940.27,4239.07 7038,4251 7007.69,4287.79
1V8_PSM_INT: C163.1.1 C164.1.1 C165.1.1 C166.1.1 C167.1.1 C168.1.1 S1.1 S1.4 U7.1.4 U7.1.37 U7.1.38 U7.1.39 U7.1.40 U7.1.41 U7.1.55 | length 659.8
  Top Layer w10: v2(7836,4843.31) 7836,4862.02 7841.98,4868 U7.1.4@7841.98,5090.28
  Bottom Layer w10: v2(7836,4843.31) 7836,4614 v2(7964,4486)
  other v2: 8054,3907 8111,3907 8194.6,3918.29 8017.18,3943.29 8111,3945 8182.72,3960 8001.77,4041.5 8001.77,4141 8155.32,4150.89 8089.46,4165.2 8270.79,4173.76 8120.56,4202.75 8077.68,4235 8172.72,4237.11